# Altium PCB 609_3.PcbDoc
Units mil, origin at the board's own origin, x right, y up, seen from the top; angles counter-clockwise.
Board outline 2362.2 x 2362.2 mil, 2 copper layers (Top Layer, Bottom Layer); 40 components, 30 nets, 131 pads, 21 vias.
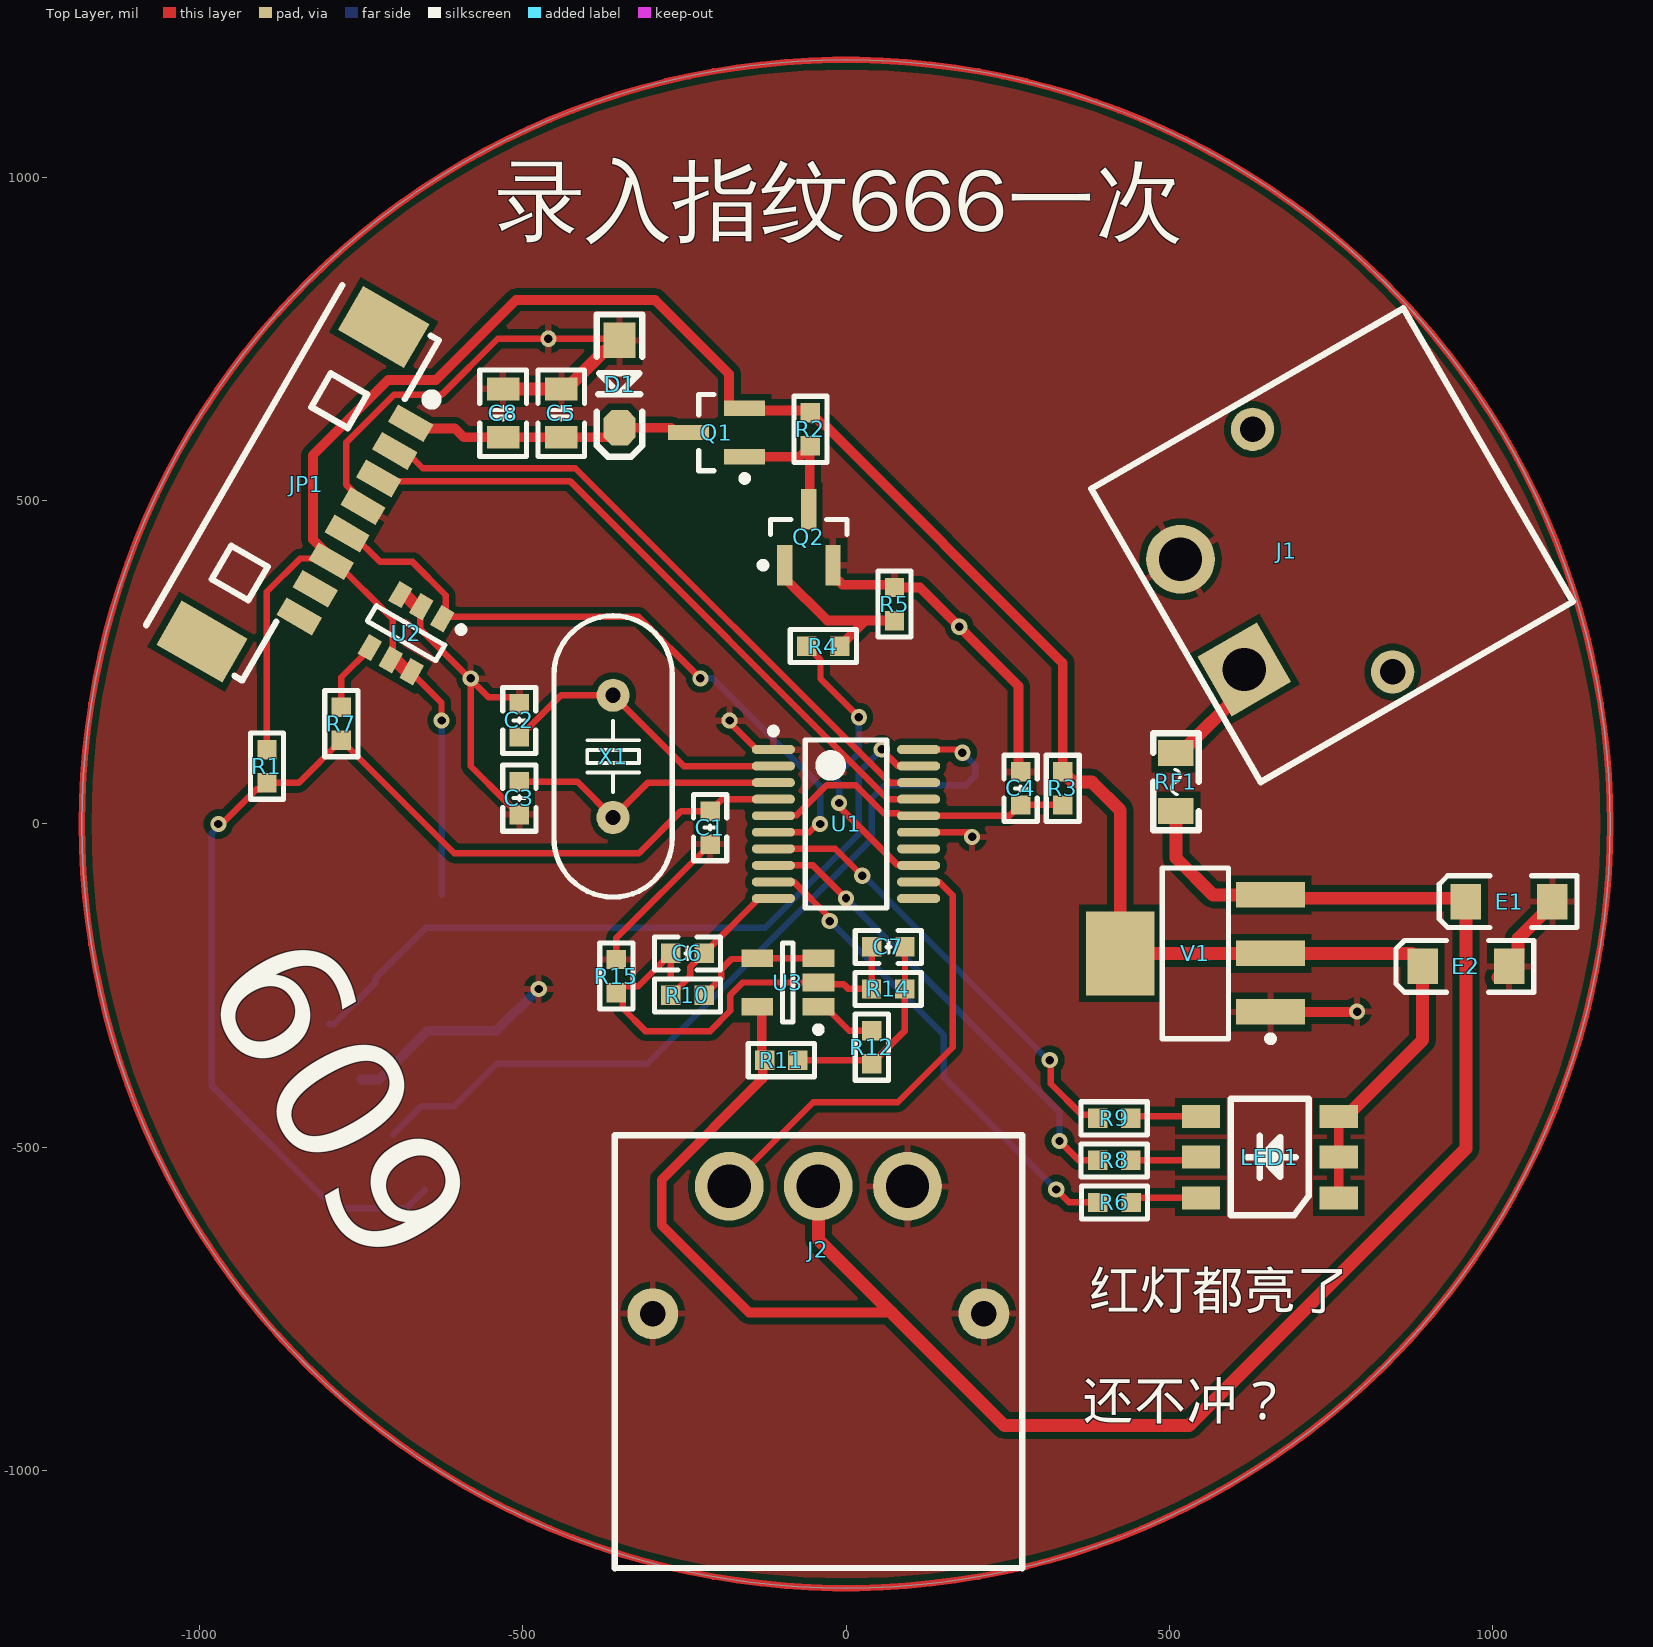
[diagram p0: Top Layer view]
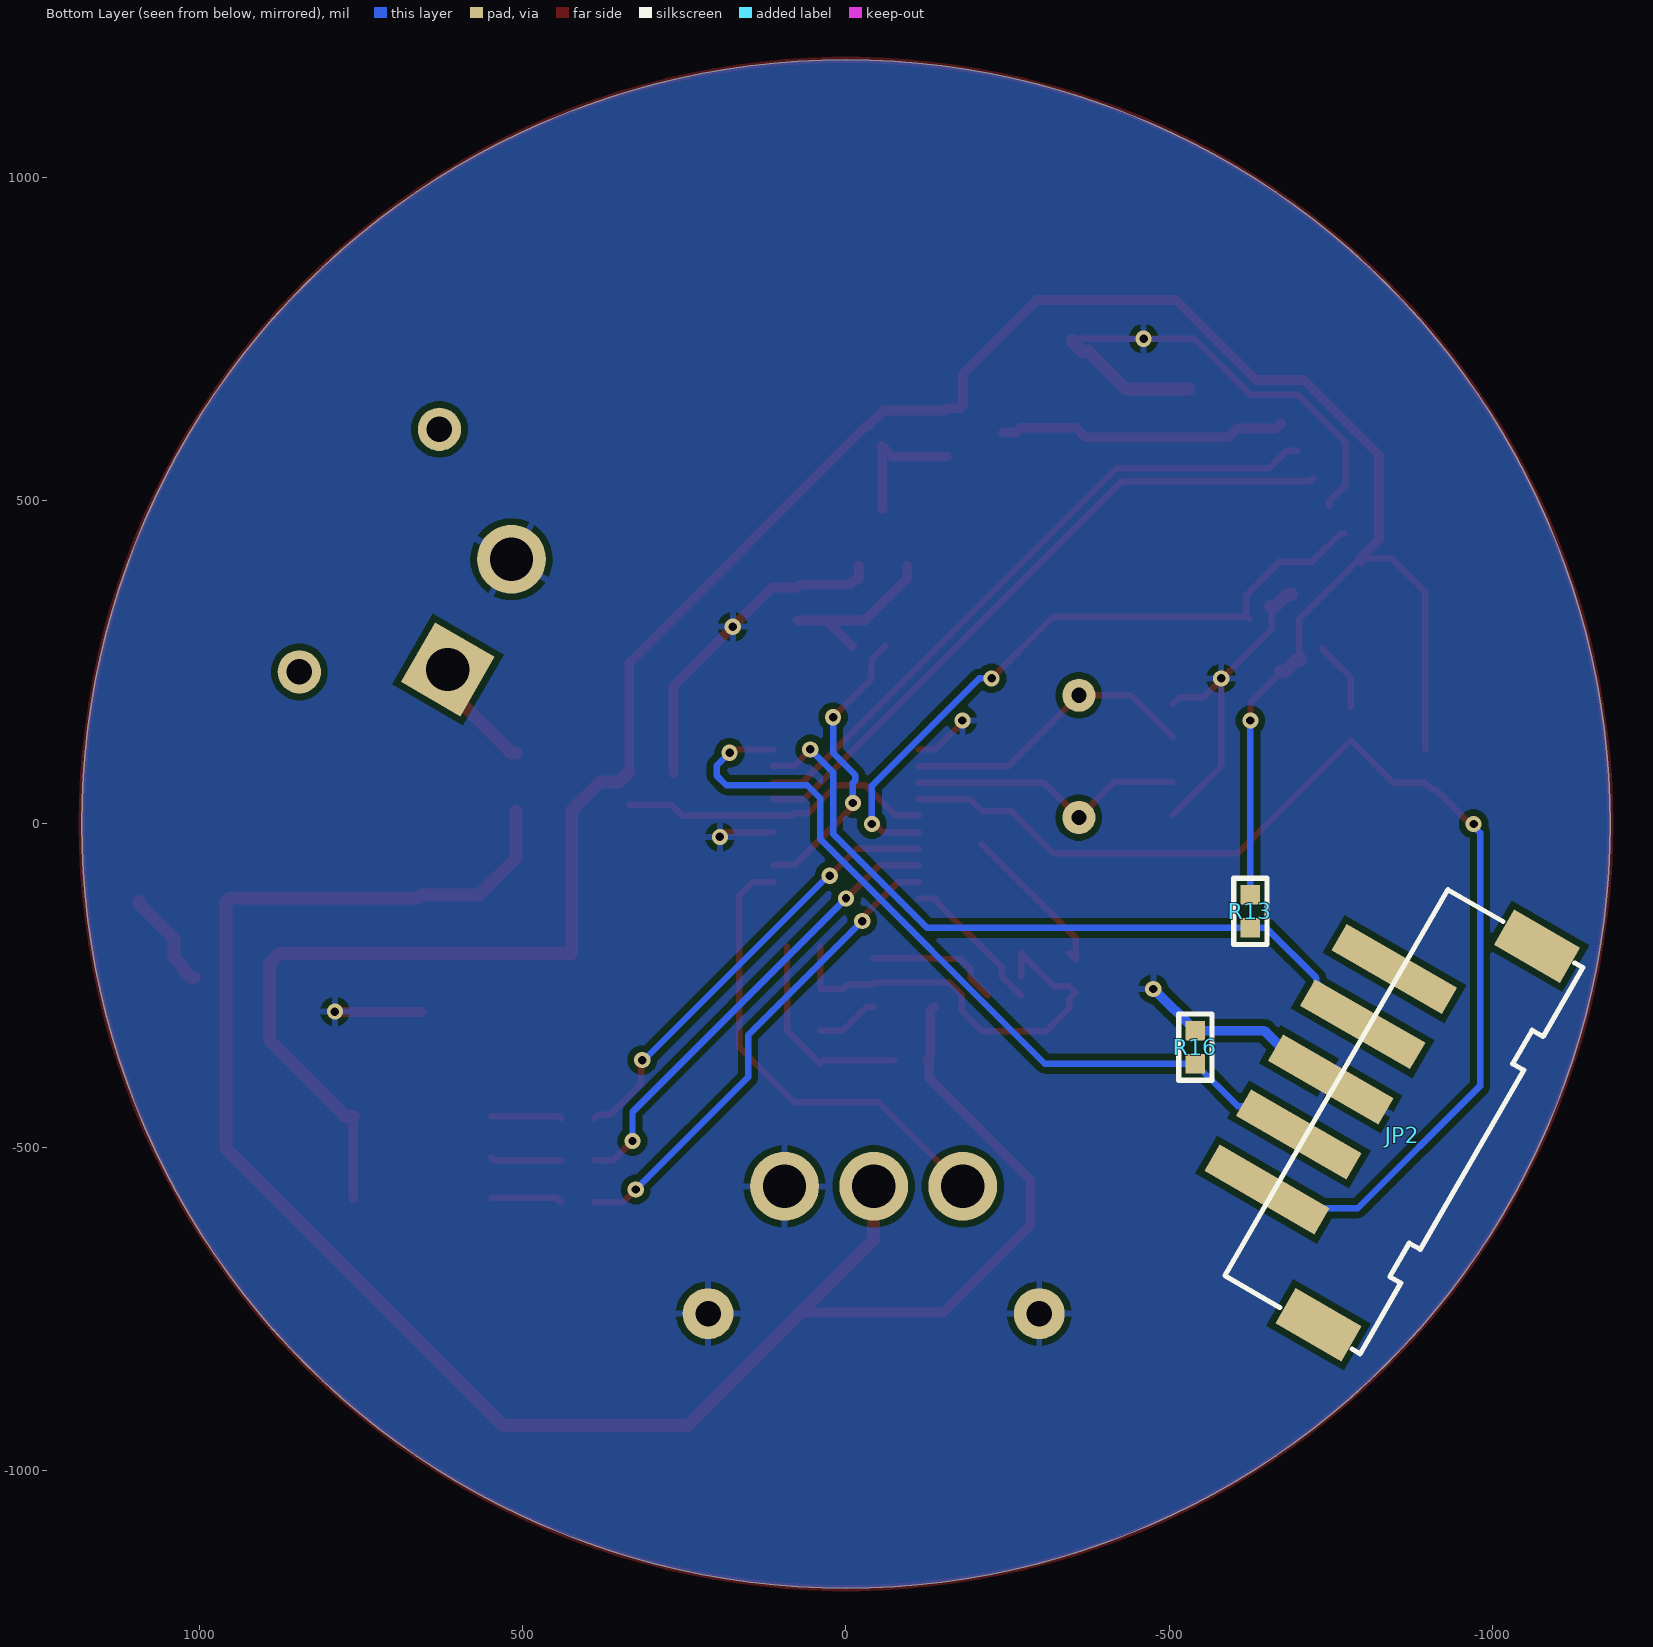
[diagram p1: Bottom Layer view, seen from below]
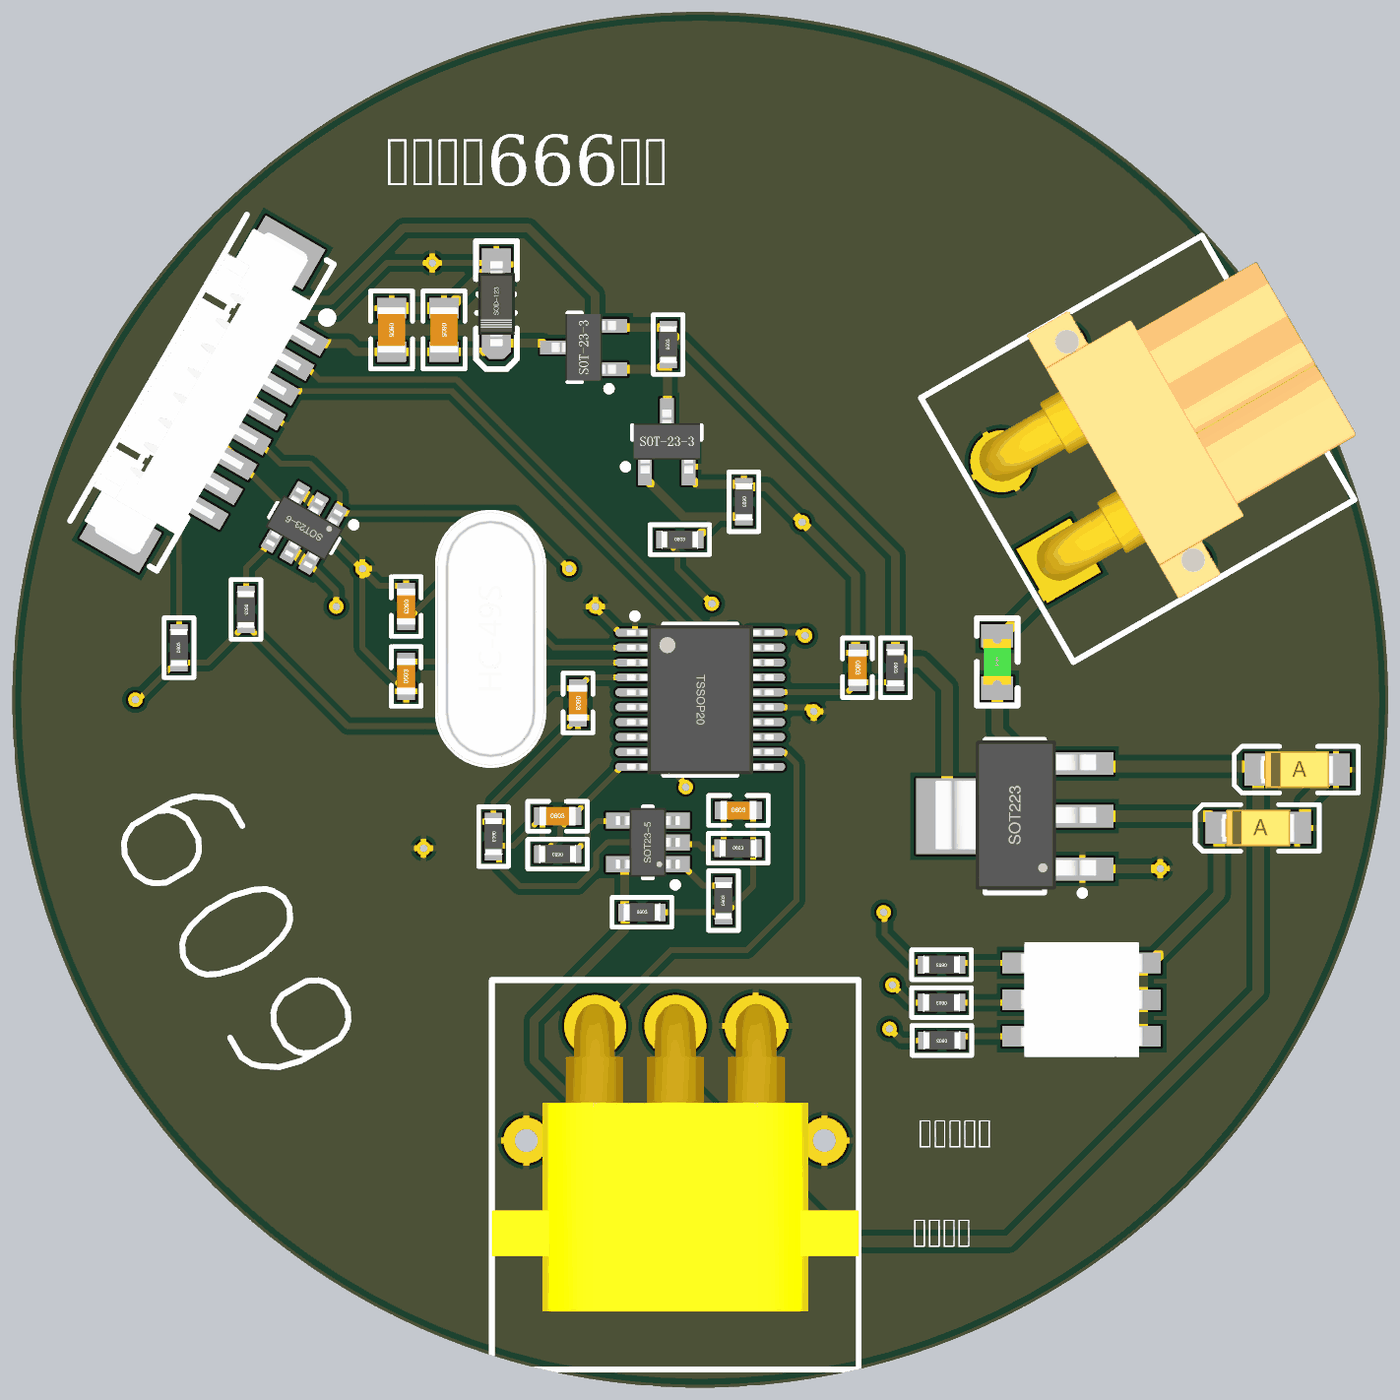
[diagram p2: 3D render of the assembled board from above, using the file's embedded part models]
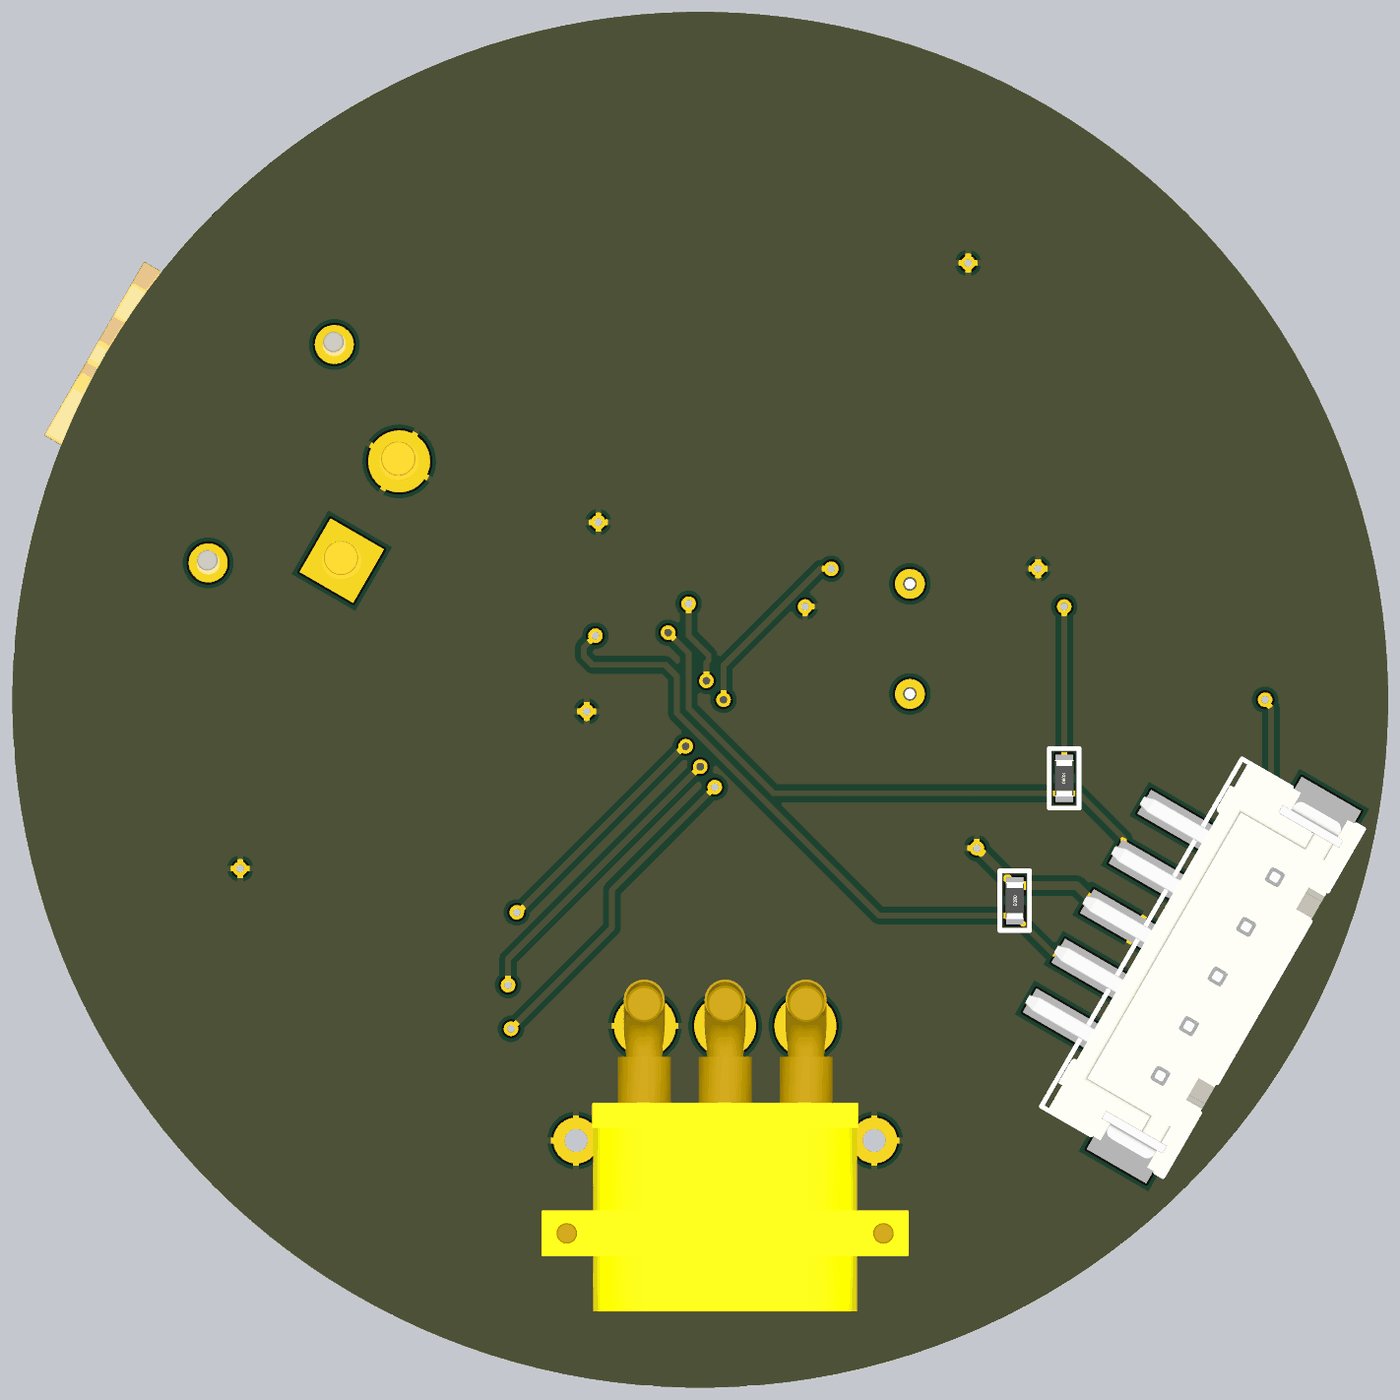
[diagram p3: 3D render of the assembled board from below, using the file's embedded part models]

## Layer stack, top to bottom
Top Solder: solder mask 0.4, Solder Resist, Dk 3.5
Top Layer: signal copper 1.4
Dielectric 1: dielectric 12.6, FR-4, Dk 4.8
Bottom Layer: signal copper 1.4
Bottom Solder: solder mask 0.4, Solder Resist, Dk 3.5

## Board outline
-1181.1,0 ccw(c0,0) 0,-1181.1 ccw(c0,0) 1181.1,0 ccw(c0,0) 0,1181.1 ccw(c0,0)

## Design rules (kind name [scope] priority, off if disabled: settings)
Clearance [All] p1: gap=10 ignorepadtopadclearanceinfootprint=TRUE except(0: Arc-Hole Track-Hole SMDPad-Hole THPad-Hole Via-Hole Fill-Hole Poly-Hole Region-Hole Text-Hole)
PolygonConnect [All] p1: connectstyle=Relief reliefconductorwidth=10 reliefentries=4 polygonreliefangle="90 Angle" airgapwidth=10
RoutingVias [All] p1: holewidth=13 width=25 viastyle="Through Hole" minholewidth=12 minwidth=20 maxholewidth=28 maxwidth=50
SolderMaskExpansion [All] p1: expansion=4 istentingtop=FALSE
Width [All] p1: maxlimit=50 minlimit=5 preferedwidth=10 minimp=50.000000 maximp=50.000000 favimp=50.000000
30 further rules are at their usual default settings.

## Components (designator, comment, footprint, x,y, rotation, side; value= is the part's Value field where it differs from the comment)
C1 "104" C0603_L -210,-5.59 r270 top
C2 "20p" C0603_L -505,160 r270 top
C3 "20p" C0603_L -505,40 r90 top
C4 "100n" C0603_L 270,55 r270 top
C5 "104" C0805_L -440,635 r270 top
C6 "100n" C0603_L -245,-200 r0 top
C7 "10n" C0603_L 65.59,-190 r0 top
C8 "104" C0805_L -530,635 r270 top
D1 "TVS" SOD-123 -350,680 r270 top
E1 "10uF/6.3V" C_3216 1025,-120 r0 top
E2 "10uF/6.3V" C_3216 958.07,-220 r0 top
J1 "XT30" XT30PW-F 517.04,409.34 r300 top
J2 "MR30PW" MR30PW-FB -42.8,-560 r180 top
JP1 "HDR-1X8" MX1.25-WT-8P -855,525 r240 top
JP2 "HDR-1X5" XH2.54-LS-5P -864.56,-461.35 r300 bottom
LED1 "LED-RGB" "LED 5050" 655,-515 r180 top
Q1 "AO3401" SOT23-3M -200,605 r180 top
Q2 "AO3400" SOT23-3M -57.4,443.31 r90 top
R1 "10K" R0603_L -895,89.41 r90 top
R2 "10K" R0603_L -55,610 r90 top
R3 "0" R0603_L 335,55 r270 top
R4 "4.7K" R0603_L -35,275 r0 top
R5 "10K" R0603_L 75,340 r270 top
R6 "3.3k" R0603_L 415,-585 r180 top
R7 "0" R0603_L -780,155 r270 top
R8 "1k" R0603_L 414.41,-520 r180 top
R9 "3.3K" R0603_L 414.41,-455 r180 top
R10 "100" R0603_L -245,-265 r180 top
R11 "3K" R0603_L -100,-365 r0 top
R12 "1K" R0603_L 40,-345 r90 top
R13 "10K" R0603_L -625,-135 r90 bottom
R14 "1K" R0603_L 65,-255 r0 top
R15 "0R" R0603_L -355,-235 r270 top
R16 "10K" R0603_L -540,-345 r270 bottom
RF1 "FR60-160B" "FU 0805" 510,65 r90 top
U1 "STM32F030F4P6" TSSOP20_N 0,0 r0 top
U2 "SN74LVC1G175" SOT-23-6 -680,295 r240 top
U3 "LM321" SOT23-5M -90,-245 r180 top
V1 "3V3LDO" SOT223_M 540,-200 r180 top
X1 "8MHz" HC-49S -360,104.49 r90 top

## Footprints (in the part's own frame and the unit in brackets; to place one, negate y for a bottom-side part, rotate by r counter-clockwise, add the part's x,y. Pads: shape width x height; smd on the part's side, far side on the other; paste and mask are expansions set on the pad)
C0603_L [mil] "贴片MLCC电容"
  rect 30x30 smd: 1(-25.59,0) 2(25.59,0)
  silkscreen extent -51,-26 51,26, body extent -31,-16 32,16, height 33
C0805_L [mil] "贴片MLCC电容"
  rect 35x50 smd: 1(-37.4,0) 2(37.4,0)
  silkscreen extent -67,-36 67,36, body extent -39,-24 39,24, height 22
C_3216 [mm] "长3.2mm，宽1.6mm，厚1.6mm"
  rect 1.2x1.4 smd: 1(-1.7,0) 2(1.7,0)
  silkscreen extent -2.74,-1.02 2.67,1.02, body extent -1.6,-0.8 1.6,0.8, height 1.63
"FU 0805" [mil] "贴片保险丝"
  rect 40x55 smd: 1(-45,0) 2(45,0)
  silkscreen extent -75,-35 75,35, body extent -39,-24 39,24, height 20
HC-49S [mm] "封装库来自淘宝卖家 ID：黄晶宝石"
  round 1.3 hole 0.6: 1(-2.4,0) 2(2.4,0)
  silkscreen extent -5.52,-2.32 5.52,2.33, body extent -5.52,-2.32 5.53,2.33, height 4.18
"LED 5050" [mm] "白色5050LED                           淘宝卖家ID:黄晶宝石"
  rect 1.5x0.9 smd: 1(-2.705,1.6) 2(2.705,1.6) 3(-2.705,0) 4(2.705,0) 5(-2.705,-1.6) 6(2.705,-1.6)
  silkscreen extent -1.52,-2.29 1.52,2.29, body extent -2.7,-2.5 2.7,2.5, height 1.65
MR30PW-FB [mm]
  round 2.7 hole 1.7: 1(3.5,0) 2(0,0) 3(-3.5,0)
  round 2 hole 1: 4(-6.5,5) 5(6.5,5)
  silkscreen extent -8,-2 8,15, body extent -8.01,-2.04 8,12.45, height 2.2
MX1.25-WT-8P [mm] "长：15.15mm，宽：4.2mm，高：3.4mm"
  rect 2x3 smd: 0(-7.132,0) 0(7.132,0)
  rect 0.8x1.6 smd: 1(-4.389,2.811) 2(-3.139,2.811) 3(-1.889,2.811) 4(-0.639,2.811) 5(0.611,2.811) 6(1.861,2.811) 7(3.111,2.811) 8(4.361,2.811)
  silkscreen extent -7.77,-2.23 7.67,3.25, body extent -7.57,-2.1 7.58,3.09, height 3.4
R0603_L [mil] "1/10W贴片电阻"
  rect 30x30 smd: 1(-25.59,0) 2(25.59,0)
  silkscreen extent -51,-26 51,26, body extent -31,-16 32,16, height 16
SOD-123 [mil] "2.7x1.6X1.1mm（长宽高，不包括引脚） 淘宝ID:黄晶宝石"
  rect 55x50 smd: 1(-67.5,0)
  oct 55x50 smd: 2(67.5,0)
  silkscreen extent -108,-35 112,35, body extent -73,-32 73,31, height 50
SOT23-3M [mm] "SOT23, 3-Leads, Body 2.9x1.3mm, Pitch 0.95mm, Lead Span 2.4mm, IPC Low Density"
  rect 1.6x0.6 smd: 1(-1.1,0.95) 2(-1.1,-0.95) 3(1.1,0)
  silkscreen extent -1.22,-1.5 0.7,1.92, body extent -1.4,-1.45 1.4,1.45, height 1.2
SOT23-5M [mm] "SOT23, 5-Leads, Body 2.9x1.6mm, Pitch 0.95mm, IPC Low Density                联系卖家 免费查找封装"
  rect 1.25x0.7 smd: 1(-1.2,0.95) 2(-1.2,0) 3(-1.2,-0.95) 4(1.2,-0.95) 5(1.2,0.95)
  silkscreen extent -1.33,-1.55 0.2,1.97, body extent -1.4,-1.5 1.4,1.5, height 1.15
SOT223_M [mm] "SOT223, 4-Leads, Body 6.5x3.5mm, Pitch 2.3mm, Lead Span 7mm, IPC Low Density"
  rect 2.7x1 smd: 1(-2.95,2.3) 2(-2.95,0) 3(-2.95,-2.3)
  rect 2.7x3.3 smd: 4(2.95,0)
  silkscreen extent -3.08,-3.35 1.3,3.47, body extent -3.56,-3.3 3.46,3.2, height 1.65
SOT-23-6 [mm] "SOT-23, 6-Leads, Body 2.90x1.60mm, Pitch 0.95mm, IPC High Density"
  rect 0.9x0.6 smd: 1(-1.2,0.95) 2(-1.2,0) 3(-1.2,-0.95) 4(1.2,-0.95) 5(1.2,0) 6(1.2,0.95)
  silkscreen extent -1.32,-1.55 0.35,1.92, body extent -1.4,-1.5 1.4,1.5, height 1.15
TSSOP20_N [mm] "TSOP, 20-Leads, Body 6.5x4.4mm, Pitch 0.65mm, IPC Medium Density"
  oval 1.7x0.35 smd: 1(-2.85,2.925) 2(-2.85,2.275) 3(-2.85,1.625) 4(-2.85,0.975) 5(-2.85,0.325) 6(-2.85,-0.325) 7(-2.85,-0.975) 8(-2.85,-1.625) 9(-2.85,-2.275) 10(-2.85,-2.925) 11(2.85,-2.925) 12(2.85,-2.275) 13(2.85,-1.625) 14(2.85,-0.975) 15(2.85,-0.325) 16(2.85,0.325) 17(2.85,0.975) 18(2.85,1.625) 19(2.85,2.275) 20(2.85,2.925)
  silkscreen extent -2.97,-3.3 1.6,3.77, body extent -3.2,-3.25 3.2,3.25, height 1.03
XH2.54-LS-5P [mm] "长：17.5mm，宽：6mm，高：8.3mm"
  rect 1.6x3 smd: 0(-8.576,1.016) 0(8.576,1.016)
  rect 1.2x5 smd: 1(-5,-3.383) 2(-2.5,-3.383) 3(0,-3.383) 4(2.5,-3.383) 5(5,-3.383)
  silkscreen extent -8.75,-3.13 8.75,3, body extent -8.75,-6 8.75,3, height 8.05
XT30PW-F [mm]
  round 1.7 hole 1: 0(-3,5) 0(8,5)
  rect 2.7x2.7 hole 1.7: 1(5,0)
  round 2.7 hole 1.7: 2(0,0)
  silkscreen extent -4.15,-1.65 9.15,12.5, body extent -4.24,-0.91 9.06,13.99, height 5

## Part data
C1 C2 C3 C4 C5 C6 C7 C8: library part C, "贴片电容/MLCC电容", BOM名称=无极性贴片电容, 联系下单店铺卖家 免费帮你查找封装="联系下单店铺卖家 免费技术支持"
D1: "TVS通用", Code_JEDEC=DO-214-AB, 以赠品形式获赠本封装库的买家，还可联系卖家免费指导AD软件使用=封装库来自淘宝卖家ID：黄晶宝石
E1 E2: library part CT, "贴片钽电容", BOM名称=贴片钽电容, 联系下单店铺卖家 免费帮你查找封装="联系下单店铺卖家 免费技术支持"
JP1: library part "Header 8", "8P连接器", BOM名称=8P连接器, 联系卖家 免费技术支持=封装库来自淘宝卖家ID：黄晶宝石
JP2: library part "Header 5", "5P接插件", BOM名称=5P接插件, 封装库来自淘宝卖家ID：黄晶宝石=其他店铺购入均为盗版封装库，请立即申请退款，本店现金奖励50~200元, 联系卖家，免费查找封装=唯一出售店铺网址https://shop463601444.taobao.com
LED1: library part "LED-RGB 5050", "5050三基色LED", BOM名称=三基色LED, 封装库来自淘宝卖家：黄晶宝石=其他店铺购入均为盗版封装库，请立即申请退款，本店现金奖励200~1000元
Q1: "P沟道 30V/4.2A", 8元以下特价购入的买家=还可以联系卖家远程指导AD软件使用, BOM名称=场效应管, 参数="P沟道 30V/4.2A"
Q2: "N沟道 30V/4.2A", 8元以下特价购入的买家=还可以联系卖家远程指导AD软件使用, BOM名称=场效应管, 参数="N沟道 30V/4.2A"
R1 R2 R3 R4 R5 R6 R7 R8 R9 R10 R11 R12 R13 R14 R15 R16: library part R, "贴片电阻", BOM名称=贴片电阻, 联系下单店铺卖家 免费帮你查找封装="联系下单店铺卖家 免费技术支持"
RF1: library part FU-PPTC, "PPTC自恢复保险丝", BOM名称=PPTC自恢复保险丝, 封装库来自淘宝卖家：黄晶宝石=其他店铺购入均为盗版封装库，请立即申请退款，本店现金奖励200~1000元, 联系卖家，免费查找封装=唯一出售店铺网址https://shop463601444.taobao.com
U1: library part STM32F030F4, "Flash: 16K/RAM: 4K/IO: 15", 联系卖家，免费查找封装=唯一出售店铺网址https://shop463601444.taobao.com
U2: "单路D触发器"
U3: "Low Power Single Op Amp, 5-pin SOT-23", 联系下单店铺卖家 免费帮你查找封装=唯一出售店铺网址https://shop463601444.taobao.com
V1: library part CJT1117B-3.3, "低压差线性稳压芯片（4脚是out）"
X1: library part XTAL-2P, "2脚无源晶振(谐振器）", BOM名称=2脚无源晶振(谐振器）, 联系下单店铺卖家 免费帮你查找封装="联系下单店铺卖家 免费技术支持"

## Via types
v1: diameter 25, hole 13, Top Layer to Bottom Layer, 21 vias

## Nets (pads, with @x,y where several pads share a name; then routed paths per layer and width w, separated by ;. In a path a pad name is that pad's centre, name@x,y a point inside that pad or via, vN(x,y) a via of type N, cw(c..) or ccw(c..) an arc to the next point about the centre after c; other vN are vias at no path point)
+3.3V: E2.1 JP1.6 LED1.1 LED1.3 LED1.5 Q1.2 R1.2 R2.2 R3.1 R13.2 U2.5 U2.6 V1.2 V1.4 | length 4060.9
  Top Layer w10: R1.2 -895,232.83 -895.17,233 -895.17,358.84 -843.62,410.4 -799.99,410.4 JP1.6 -790.11,406.21 -700.67,316.78 -700.67,257.04 U2.5 ; U2.6 -671.23,233.5 -625.24,187.5 -625.24,160.24 v1(-625,160)
  Top Layer w15: JP1.6 -795.81,411.81 -823.85,439.85 -823.85,570.06 -707.71,686.2 -633.8,686.2 -510,810 -295,810 -180.69,695.69 -180.69,646.71 -176.38,642.4 Q1.2 -153.29,638.99 -58.4,638.99 R2.2 -36.67,617.26 -33.1,617.26 335,249.16 R3.1 ; LED1.1 LED1.3 LED1.5
  Top Layer w20: U2.5 -696.78,254.09 -678.08,235.38 U2.6 ; R3.1 350.59,65 380,65 423.86,21.14 V1.4 V1.2 875.08,-200 891.14,-216.06 E2.1 891.14,-334.17 773.31,-452 LED1.5
  Bottom Layer w10: R13.2 v1(-625,160)
AGND: C6.1 C7.1 R14.1 R15.2 U3.2 | length 686.7
  Top Layer w10: -270.59,-234.99 C6.1 -321.18,-250.59 -345,-250.59 R15.2 -345,-270.59 -345,-285 -310,-320 -210,-320 -178.82,-288.82 -178.82,-264.38 -159.44,-245 U3.2 -39.72,-248.03 -3.15,-248.03 3.82,-255 R14.1 40,-254.41 C7.1
BRK: JP1.5 U1.6 U2.1 | length 1056.2
  Top Layer w10: JP1.5 -763.83,448.83 -720,405 -670,405 -618.78,353.78 -618.78,322.42 U2.1@-621.03,320.17 ; U2.1 U2.1@-621.03,320.17 ; v1(-225,225) -320.17,320.17 U2.1@-621.03,320.17 ; U1.6 -56.85,-12.8 -44.06,0 v1(-40,0)
  Bottom Layer w10: v1(-225,225) -206.11,225 -40,58.89 v1(-40,0)
GND: C1.2 C2.1 C3.1 C4.1 C5.1 C8.1 D1.1 E1.2 E2.2 J1.2 J2.3 J2.4 J2.5 JP1.4 JP2.3 Q2.2 R5.1 R15.1 R16.1 U1.1 U1.15 U2.2 U2.3 V1.1 | length 2886.9
  Top Layer w10: JP1.4 -746.6,498.51 -772.14,524.05 -772.14,589.95 -698.39,663.7 -624.48,663.7 -538.18,750 -352.5,750 D1.1 ; U2.2 -658.07,334.22 -658.07,301.56 v1@-580,223.49 ; v1(-580,225) v1@-580,223.49 ; C3.1 -526.18,35.59 -580,89.38 v1@-580,223.49 ; C2.1 -515,195.59 -552.1,195.59 v1@-580,223.49 ; R15.1@-345,-199.41 R15.1 -355,-176.18 C1.2 ; v1(-180,160) -180,157.4 -137.76,115.16 U1.1 ; U1.15 187.8,-12.8 v1(195,-20)
  Top Layer w15: Q2.2 -20,380.31 -15.69,376 -11.69,376 -5.69,370 70.59,370 R5.1 114.41,365.59 v1(175,305) 266.73,213.27 C4.1@266.73,78.27 ; V1.1 789.45,-290.55 v1(790,-290)
  Top Layer w20: U2.3 -681.92,354.62 -663.22,335.91 U2.2 ; C8.1 C5.1 -432.5,672.4 -374.91,730 -365,730 -350,745 D1.1 ; E2.2@1007.44,-237.56 1011.38,-237.56 1025,-223.94 E2.2 1038.62,-206.38 1038.62,-177.24 1091.93,-123.94 E1.2
  Bottom Layer w15: JP2.3 -721.83,-394.76 -646.48,-319.41 R16.1 -475.59,-255 v1(-475,-255)
  other v1: -460,750
NetC2_2: C2.2 U1.2 X1.2 | length 464.9
  Top Layer w10: C2.2 -483.82,155.59 -440.41,198.98 X1.2 -250.59,89.57 U1.2
NetC3_2: C3.2 U1.3 X1.1 | length 438.2
  Top Layer w10: C3.2 -415.59,65.59 X1.1 -306.02,63.98 U1.3
NetC5_2: C5.2 C8.2 D1.2 JP1.1 Q1.3 | length 447.7
  Top Layer w15: JP1.1 -664.9,611.44 -604.56,611.44 -590.73,597.6 C5.2 -370.51,597.6 -355.61,612.5 D1.2 -270.49,612.5 -262.99,605 Q1.3
NetC6_2: C6.2 R10.2 U1.10 | length 230.4
  Top Layer w10: R10.2 -249.41,-243.82 -240.59,-234.97 -240.59,-221.18 C6.2 -139.5,-120.09 -139.5,-116.9 -137.76,-115.16 U1.10
NetC7_2: C7.2 R11.2 R12.1 R14.2 | length 318.5
  Top Layer w10: R11.2 34.41,-365 R12.1 61.18,-349.41 90.59,-320.04 R14.2 91.18,-254.41 C7.2
NetJ1_1: J1.1 RF1.2 | length 176.9
  Top Layer w20: RF1.2 517.5,110 615.47,207.97 J1.1
NetJ2_1: J2.1 U1.12 | length 730.7
  Top Layer w10: J2.1 -50.59,-430 80,-430 165,-345 165,-110.42 144.87,-90.29 112.93,-90.29 U1.12
NetJP1_2: JP1.2 U1.18 | length 1022
  Top Layer w10: JP1.2 -680.77,576.69 -654.07,550 -418.43,550 67.59,63.98 U1.18
NetJP1_3: JP1.3 U1.17 | length 1039.6
  Top Layer w10: JP1.3 -717.81,529.89 -686.09,529.89 -685.98,530 -426.72,530 64.9,38.39 U1.17
NetJP2_2: JP2.2 R13.1 U1.19 | length 1157.1
  Top Layer w10: v1(55.23,115.23) 55.23,114.6 79.54,90.29 111.48,90.29 U1.19
  Bottom Layer w10: JP2.2 -791.74,-309.52 -727.07,-244.85 -727.07,-238.17 -649.5,-160.59 R13.1 -125.59,-160.59 20,-15 20,80 v1(55.23,115.23)
NetJP2_4: JP2.4 R16.2 U1.20 | length 1280.2
  Top Layer w10: U1.20 170.78,115.16 175.94,110 v1(180,110)
  Bottom Layer w10: JP2.4 -656.02,-436.02 -605.43,-436.02 R16.2 -307.3,-370.59 40,-23.28 40,40 60,60 185,60 200,75 200,90 v1(180,110)
NetLED1_2: LED1.2 R6.1 | length 110.8
  Top Layer w10: R6.1 447.59,-578 LED1.2
NetLED1_4: LED1.4 R8.1 | length 110.6
  Top Layer w10: R8.1 543.5,-520 LED1.4
NetLED1_6: LED1.6 R9.1 | length 109.7
  Top Layer w10: R9.1 443,-452 LED1.6
NetQ1_1: Q1.1 Q2.3 R2.1 | length 205.7
  Top Layer w15: Q1.1 -71.8,567.6 R2.1@-56.2,583.2 ; Q2.3 -56.2,487.82 R2.1@-56.2,583.2 ; R2.1 R2.1@-56.2,583.2
NetQ2_1: Q2.1 R4.2 R5.2 | length 272.5
  Top Layer w15: Q2.1 -94.8,380.31 -28.9,314.41 30,314.41 ; R4.2 30,314.41 ; R5.2 30,314.41
NetR4_1: R4.1 U1.13 | length 457.7
  Top Layer w10: R4.1 -39.41,253.82 -39.41,224.41 v1(20,165) ; v1(-10.69,32.5) -7.82,29.63 -7.82,24.11 79.54,-63.25 111.48,-63.25 U1.13
  Bottom Layer w10: v1(-10.69,32.5) -10.69,63.71 -14.35,67.37 -14.35,75.65 20,110 v1(20,165)
NetR6_2: R6.2 U1.9 | length 747.9
  Top Layer w10: U1.9 -111.48,-90.29 -79.54,-90.29 -25,-144.83 v1(-25,-150) ; v1(325,-565) 345,-585 R6.2
  Bottom Layer w10: v1(-25,-150) 151.44,-326.43 151.44,-391.43 v1(325,-565)
NetR7_1: R7.1 U2.4 | length 110.4
  Top Layer w10: R7.1 -780,226.63 -736.01,270.62 U2.4
NetR8_2: R8.2 U1.8 | length 716.3
  Top Layer w10: U1.8 -51.02,-63.98 v1(0,-115) ; v1(330,-490) 360,-520 R8.2
  Bottom Layer w10: v1(0,-115) 330,-445 v1(330,-490)
NetR9_2: R9.2 U1.7 | length 694.1
  Top Layer w10: U1.7 -16.61,-38.39 v1(25,-80) ; v1(315,-365) 316.35,-366.35 316.35,-401.35 364.68,-449.68 383.5,-449.68 R9.2
  Bottom Layer w10: v1(25,-80) 27.5,-80 312.5,-365 v1(315,-365)
NetR10_1: R10.1 U3.3 U3.4 | length 208.5
  Top Layer w10: R10.1 -193.13,-238.72 -193.13,-224.93 -176.85,-208.65 -138.3,-208.65 U3.4 U3.3
NetR12_2: R12.2 U3.1 | length 98.1
  Top Layer w10: U3.1 -31.93,-282.4 5.08,-319.41 R12.2
NRST: C1.1 JP2.5 R1.1 R7.2 U1.4 | length 1846.7
  Top Layer w10: v1(-970,0) -967.13,2.87 -962.13,2.87 -911.18,53.82 -905,53.82 R1.1 -845.6,63.82 R7.2 -605.59,-45 -320,-45 -255,20 C1.1 -191.61,38.39 U1.4
  Bottom Layer w10: v1(-970,0) -970,-3.36 -980,-13.36 -980,-405 -791.01,-593.99 -679.54,-593.99 JP2.5
VCC: E1.1 J2.2 R11.1 RF1.1 U3.5 V1.3 | length 3130
  Top Layer w15: U3.5 -136.28,-282.4 -130,-288.68 -130,-360.6 R11.1 -128.71,-368.12 -128.71,-393.71 -285,-550 -285,-620 -150,-755 70,-755
  Top Layer w20: J2.2 -42.8,-642.2 70,-755 245,-930 530,-930 958.07,-501.93 E1.1 952.8,-114.72 661.42,-114.72 V1.3 566.95,-109.45 510,-52.5 RF1.1
VDDA: C4.2 R3.2 U1.5 U1.16 | length 494
  Top Layer w10: U1.5 -111.48,13.52 -76.48,13.52 -30,60 15,60 58.5,16.5 80.91,16.5 84.61,12.8 252.8,12.8 259.41,19.41 260,19.41 C4.2 270.58,30 335,30 R3.2
pads on no net: J1.0 JP1.0 JP1.7 JP1.8 JP2.0 JP2.1 U1.11 U1.14
copper on no net: | length 7421.1
  Top Layer w10: 1181.1,0 ccw(c0,0) 1181.1,0

## Polygon pours and split planes (outlines as drawn)
GND on Top Layer "GND_L01_P000" (solid, remove dead copper, pour order 0): -1181.1,0 ccw(c0,0) 0,-1181.1 ccw(c0,0) 1181.1,0 ccw(c0,0) 0,1181.1 ccw(c0,0)
GND on Bottom Layer "GND_L02_P001" (solid, remove dead copper, pour order 1): -1181.1,0 ccw(c0,0) 0,-1181.1 ccw(c0,0) 1181.1,0 ccw(c0,0) 0,1181.1 ccw(c0,0)

## Silkscreen, mask and mechanical layers (free items; w line width, h text height)
Top Overlay:
  text "录入指纹666一次" at -540,883.45 h170
  text "609" at -563.66,-601.34 h200 r120
  text "红灯都亮了" at 374.58,-768.76 h100
  text "还不冲？" at 365,-939.45 h100